# Altium PCB Ixora.PcbDoc (part 8 of 13) (continued)
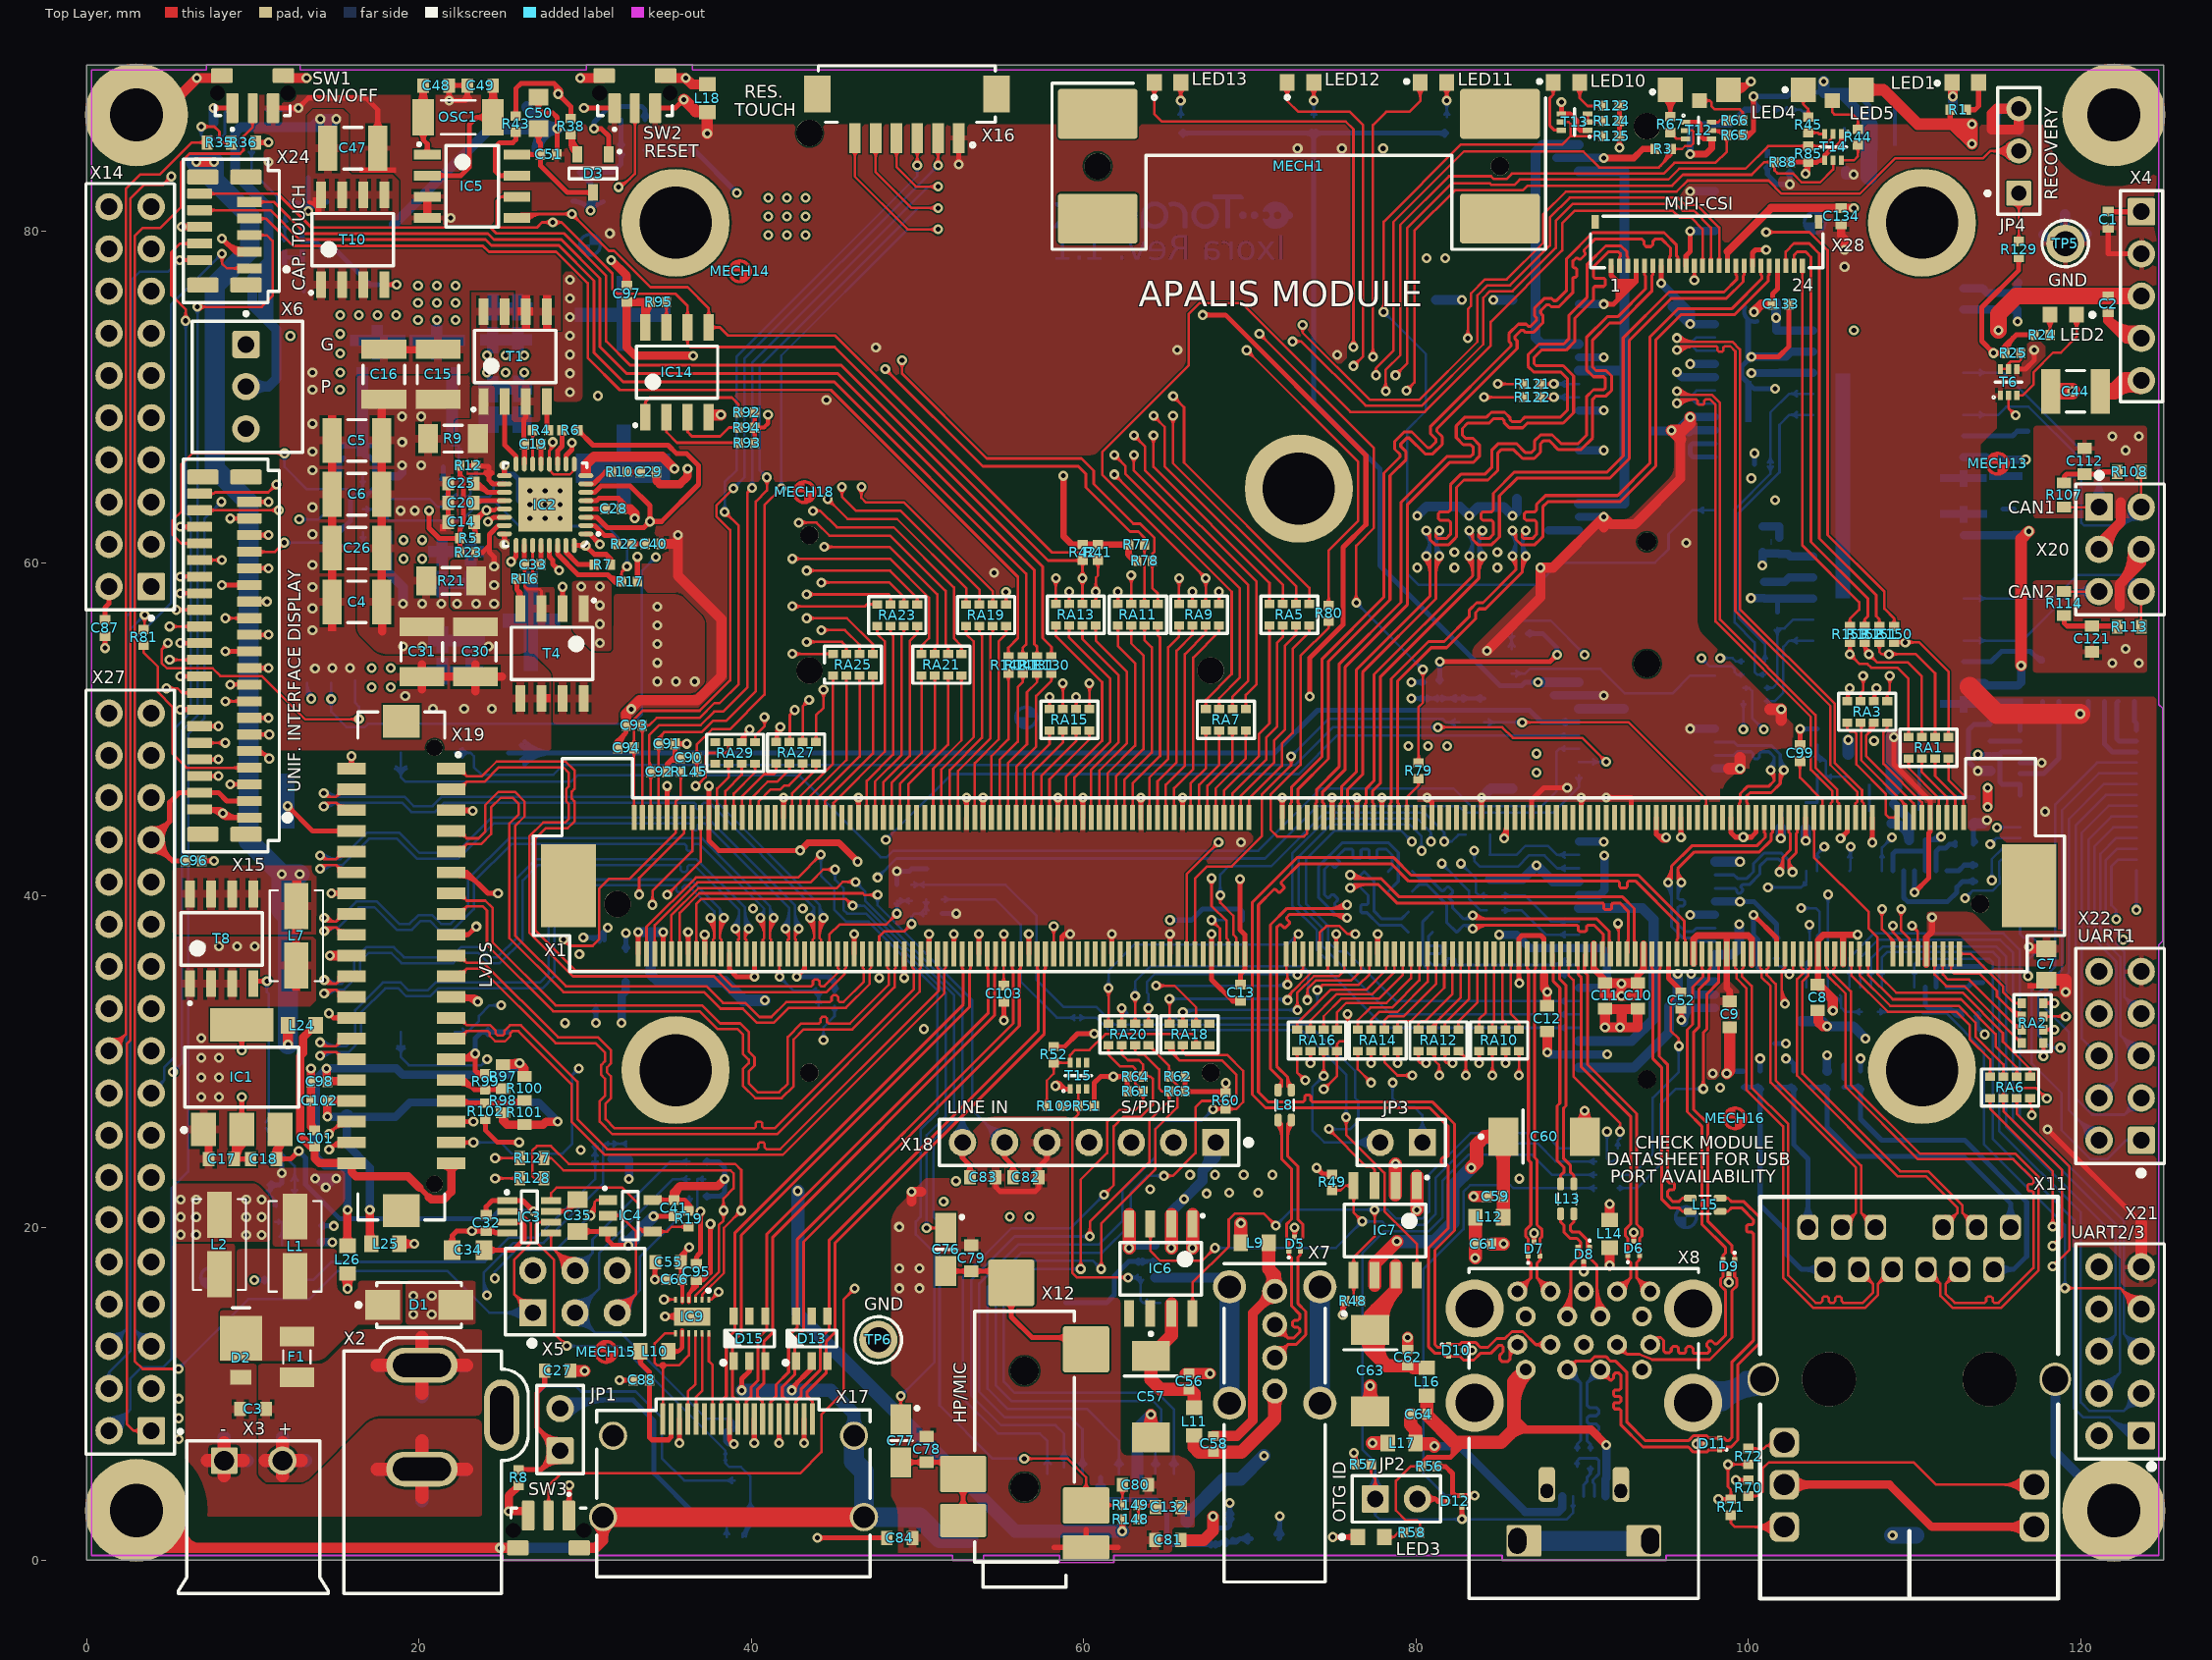
[diagram p0: Top Layer view]
## Nets (pads, with @x,y where several pads share a name; then routed paths per layer and width w, separated by ;. In a path a pad name is that pad's centre, name@x,y a point inside that pad or via, vN(x,y) a via of type N, cw(c..) or ccw(c..) an arc to the next point about the centre after c; other vN are vias at no path point) (continued)
  Bottom Layer w0.15: v1@62.942,34.138 ccw(c62.558,34.522) 63.102,34.522 ccw(c63.645,34.522) v1@63.261,34.138 ; v1@63.102,33.75 v1(63.102,33.979) 63.102,34.841 64.024,35.763 73.165,35.763 73.517,35.411 v1@73.517,33.766 ; v1@73.308,33.875 ccw(c72.801,34.381) 73.517,34.381 ; v1@73.414,33.769 ccw(c73.163,34.019) 73.517,34.019 ; 73.517,34.136 ccw(c73.887,34.136) v1@73.626,33.875
MXM3_150_M: RA18.3 X1.150 | length 18
  Top Layer w0.15: v1@65.811,32.843 cw(c65.427,32.459) 65.97,32.459 cw(c66.513,32.459) v1@66.129,32.843 ; RA18.3@65.846,32.426 ccw(c65.547,32.724) 65.97,32.724 ccw(c66.392,32.724) RA18.3@66.094,32.426 ; RA18.3@65.873,32.471 ccw(c65.849,32.558) 65.937,32.582 ; RA18.3@65.97,32.302 v1(65.97,33.002) ; 66.003,32.582 ccw(c66.091,32.558) RA18.3@66.066,32.471 ; v1@72.708,33.275 ccw(c72.324,33.659) 72.867,33.659 ccw(c73.41,33.659) v1@73.026,33.275 ; v1(72.867,33.116) 72.867,34.17 73.857,35.16 75.349,35.16 75.7,35.511 X1.150@75.7,36.5 ; X1.150@75.647,35.847 cw(c75.519,35.719) 75.7,35.719 cw(c75.881,35.719) X1.150@75.753,35.847
  Bottom Layer w0.15: v1(65.97,33.002) 66.084,33.116 v1(72.867,33.116) ; v1@66.023,32.949 cw(c66.426,32.546) 66.426,33.116 ; v1@66.129,32.843 cw(c66.788,32.184) 66.788,33.116 ; v1@72.708,32.957 ccw(c72.324,32.573) 72.324,33.116 ccw(c72.324,33.659) v1@72.708,33.275
MXM3_154_M: RA18.4 X1.154 | length 18.4
  Top Layer w0.15: v1@65.011,33.633 cw(c64.627,33.249) 65.17,33.249 cw(c65.713,33.249) v1@65.329,33.633 ; RA18.4@65.046,32.426 ccw(c64.747,32.724) 65.17,32.724 ccw(c65.592,32.724) RA18.4@65.294,32.426 ; RA18.4@65.17,32.302 v1(65.17,33.792) ; v1(72.267,33.716) 72.267,33.952 73.745,35.43 74.544,35.43 74.7,35.586 X1.154@74.7,36.5 ; v1@72.434,33.894 cw(c72.977,33.894) 72.593,34.278 ; X1.154@74.647,35.847 cw(c74.519,35.719) 74.7,35.719 cw(c74.881,35.719) X1.154@74.753,35.847
  Bottom Layer w0.15: v1(65.17,33.792) 72.191,33.792 v1(72.267,33.716) ; v1@65.329,33.633 cw(c65.713,33.249) 65.713,33.792 cw(c65.713,34.335) v1@65.329,33.951 ; 71.54,33.792 cw(c71.54,32.988) 72.108,33.557 ccw(c71.54,32.988) 71.54,33.792 ; 71.902,33.792 cw(c71.902,33.351) 72.214,33.663 ccw(c71.902,33.351) 71.902,33.792 ; 71.908,33.792 ccw(c71.908,34.075) 72.108,33.875 cw(c71.908,34.075) 71.908,33.792
MXM3_159_M: R80.1 X1.159 | length 18.2
  Top Layer w0.15: X1.159@73.397,44.047 cw(c73.269,43.919) 73.45,43.919 cw(c73.631,43.919) X1.159@73.503,44.047 ; X1.159@73.45,44.7 73.45,43.757 73.254,43.561 71.653,43.561 71.247,43.967 71.247,46.076 73.05,47.879 73.05,54.432 74.752,56.134 ; R80.1@74.639,56.341 cw(c74.507,56.134) 74.752,56.134 ; R80.1@74.752,56.518 74.752,56.134 ; R80.1@74.865,56.341 ccw(c74.998,56.134) 74.752,56.134
MXM3_160_M: RA20.1 X1.160 | length 17.7
  Top Layer w0.15: v1@63.742,33.069 cw(c63.358,32.685) 63.902,32.685 cw(c64.445,32.685) v1@64.061,33.069 ; RA20.1@63.778,32.424 ccw(c63.479,32.722) 63.902,32.722 ccw(c64.324,32.722) RA20.1@64.025,32.424 ; RA20.1@63.902,32.3 v1(63.902,33.229) ; v1(72.867,35.24) 73.2,35.573 ; v1@72.891,35.464 ccw(c72.931,35.842) 73.2,35.573 ; v1@73.091,35.264 cw(c73.469,35.304) 73.2,35.573 ; X1.160@73.147,35.847 cw(c73.019,35.719) 73.2,35.719 cw(c73.381,35.719) X1.160@73.253,35.847 ; X1.160@73.2,36.5 73.2,35.573
  Bottom Layer w0.15: v1@63.742,33.388 ccw(c63.358,33.772) 63.902,33.772 ccw(c64.445,33.772) v1@64.061,33.388 ; v1(63.902,33.229) 63.902,34.08 63.805,34.177 63.805,34.807 64.289,35.291 v1@72.918,35.291 ; 72.201,35.291 cw(c72.201,34.574) v1@72.708,35.081 ; 72.446,35.291 ccw(c72.446,35.66) v1@72.708,35.399 ; 72.563,35.291 cw(c72.563,34.936) v1@72.814,35.187
MXM3_162_M: RA20.4 X1.162 | length 20.5
  Top Layer w0.15: v1@61.343,34.283 cw(c60.958,33.899) 61.502,33.899 cw(c62.045,33.899) v1@61.661,34.283 ; RA20.4@61.378,32.424 ccw(c61.079,32.722) 61.502,32.722 ccw(c61.924,32.722) RA20.4@61.625,32.424 ; RA20.4@61.502,32.3 v1(61.502,34.436) ; X1.162@72.647,37.153 ccw(c72.519,37.281) 72.7,37.281 ccw(c72.881,37.281) X1.162@72.753,37.153 ; X1.162@72.7,36.5 72.7,37.475 ; v1@72.722,37.603 cw(c72.621,37.554) 72.7,37.475 ; v1@72.827,37.497 ccw(c72.779,37.396) 72.7,37.475 ; v1(72.925,37.7) 72.7,37.475
  Bottom Layer w0.15: v1@61.343,34.595 ccw(c60.958,34.979) 61.502,34.979 ccw(c62.045,34.979) v1@61.661,34.595 ; v1(61.502,34.436) 61.502,35.492 63.068,37.059 72.283,37.059 v1(72.925,37.7) ; v1@72.7,37.682 cw(c72.288,37.648) 72.581,37.356 cw(c72.873,37.063) v1@72.906,37.476
MXM3_164_M: RA18.2 X1.164 | length 18.4
  Top Layer w0.15: v1(64.37,34.582) 65.469,34.582 66.77,33.281 RA18.2@66.77,32.302 ; v1@64.529,34.423 cw(c64.913,34.038) 64.913,34.582 cw(c64.913,35.125) v1@64.529,34.741 ; RA18.2@66.646,32.426 ccw(c66.347,32.724) 66.77,32.724 ccw(c67.192,32.724) RA18.2@66.894,32.426 ; v1@72.108,34.799 ccw(c71.724,35.183) 72.267,35.183 ccw(c72.81,35.183) v1@72.426,34.799 ; X1.164@72.147,35.847 cw(c72.019,35.719) 72.2,35.719 cw(c72.381,35.719) X1.164@72.253,35.847 ; X1.164@72.2,36.5 72.2,35.382 72.267,35.315 v1(72.267,34.64)
  Bottom Layer w0.15: v1(64.37,34.582) 72.238,34.582 72.267,34.611 v1(72.267,34.64) ; v1@64.529,34.423 cw(c64.913,34.038) 64.913,34.582 cw(c64.913,35.125) v1@64.529,34.741 ; 71.583,34.582 ccw(c71.583,35.324) v1@72.108,34.799 ; 71.865,34.582 cw(c71.865,34.238) v1@72.108,34.481 ; 71.945,34.582 ccw(c71.945,34.962) v1@72.214,34.693
MXM3_173_M: RA5.4 X1.173 | length 14
  Top Layer w0.15: X1.173@69.897,45.404 ccw(c69.769,45.532) 69.95,45.532 ccw(c70.131,45.532) X1.173@70.003,45.404 ; X1.173@69.95,44.7 69.95,45.839 71.926,47.816 71.926,49.143 72.574,49.79 72.574,54.845 73.584,55.854 ; RA5.4@73.464,56.128 cw(c73.209,55.854) 73.584,55.854 ; RA5.4@73.584,56.256 73.584,55.854 ; RA5.4@73.703,56.128 ccw(c73.958,55.854) 73.584,55.854
MXM3_175_M: RA5.3 X1.175 | length 13.9
  Top Layer w0.15: X1.175@69.397,45.404 ccw(c69.269,45.532) 69.45,45.532 ccw(c69.631,45.532) X1.175@69.503,45.404 ; X1.175@69.45,44.7 69.45,45.995 71.463,48.008 71.463,49.335 72.111,49.983 72.111,55.037 72.784,55.71 RA5.3@72.784,56.256 ; RA5.3@72.66,56.133 cw(c72.361,55.834) 72.784,55.834 cw(c73.206,55.834) RA5.3@72.907,56.133
MXM3_177_M: RA5.2 X1.177 | length 13.8
  Top Layer w0.15: X1.177@68.897,45.404 ccw(c68.769,45.532) 68.95,45.532 ccw(c69.131,45.532) X1.177@69.003,45.404 ; X1.177@68.95,44.7 68.95,46.15 70.999,48.2 70.999,49.527 71.647,50.175 71.647,55.229 71.984,55.566 RA5.2@71.984,56.256 ; RA5.2@71.86,56.133 cw(c71.561,55.834) 71.984,55.834 cw(c72.406,55.834) RA5.2@72.107,56.133
MXM3_179_M: RA5.1 X1.179 | length 13.6
  Top Layer w0.15: X1.179@68.397,45.404 ccw(c68.269,45.532) 68.45,45.532 ccw(c68.631,45.532) X1.179@68.503,45.404 ; X1.179@68.45,44.7 68.45,46.306 70.536,48.392 70.536,49.719 71.184,50.367 RA5.1@71.184,56.256 ; RA5.1@71.06,56.133 cw(c70.761,55.834) 71.184,55.834 cw(c71.606,55.834) RA5.1@71.307,56.133
MXM3_181_M: RA7.4 X1.181 | length 6.9
  Top Layer w0.15: X1.181@67.897,45.404 ccw(c67.769,45.532) 67.95,45.532 ccw(c68.131,45.532) X1.181@68.003,45.404 ; X1.181@67.95,44.7 67.95,46.462 69.761,48.273 RA7.4@69.761,49.932 ; RA7.4@69.637,49.808 cw(c69.339,49.509) 69.761,49.509 cw(c70.183,49.509) RA7.4@69.885,49.808
MXM3_183_M: RA7.3 X1.183 | length 6.8
  Top Layer w0.15: X1.183@67.397,45.404 ccw(c67.269,45.532) 67.45,45.532 ccw(c67.631,45.532) X1.183@67.503,45.404 ; X1.183@67.45,44.7 67.45,46.617 68.961,48.128 RA7.3@68.961,49.932 ; RA7.3@68.837,49.808 cw(c68.539,49.509) 68.961,49.509 cw(c69.383,49.509) RA7.3@69.085,49.808
MXM3_185_M: RA7.2 X1.185 | length 6.7
  Top Layer w0.15: X1.185@66.897,45.404 ccw(c66.769,45.532) 66.95,45.532 ccw(c67.131,45.532) X1.185@67.003,45.404 ; X1.185@66.95,44.7 66.95,46.677 68.161,47.888 RA7.2@68.161,49.932 ; RA7.2@68.037,49.808 cw(c67.739,49.509) 68.161,49.509 cw(c68.583,49.509) RA7.2@68.285,49.808
MXM3_187_M: RA7.1 X1.187 | length 6.6
  Top Layer w0.15: X1.187@66.397,45.404 ccw(c66.269,45.532) 66.45,45.532 ccw(c66.631,45.532) X1.187@66.503,45.404 ; X1.187@66.45,44.7 66.45,46.777 67.361,47.688 RA7.1@67.361,49.932 ; RA7.1@67.237,49.808 cw(c66.939,49.509) 67.361,49.509 cw(c67.783,49.509) RA7.1@67.485,49.808
MXM3_191_M: RA9.4 X1.191 | length 13.7
  Top Layer w0.15: X1.191@65.397,45.404 ccw(c65.269,45.532) 65.45,45.532 ccw(c65.631,45.532) X1.191@65.503,45.404 ; X1.191@65.45,44.7 65.45,46.476 66.593,47.62 66.593,54.325 68.148,55.88 ; RA9.4@68.035,56.123 cw(c67.83,55.88) 68.148,55.88 ; RA9.4@68.148,56.409 RA9.4@68.148,56.256 68.148,55.88 ; RA9.4@68.261,56.123 ccw(c68.466,55.88) 68.148,55.88
MXM3_193_M: RA9.3 X1.193 | length 13.7
  Top Layer w0.15: X1.193@64.897,45.404 ccw(c64.769,45.532) 64.95,45.532 ccw(c65.131,45.532) X1.193@65.003,45.404 ; X1.193@64.95,44.7 64.95,46.683 66.093,47.827 66.093,54.532 67.348,55.787 RA9.3@67.348,56.256 RA9.3@67.348,56.409 ; RA9.3@67.224,56.133 cw(c66.926,55.834) 67.348,55.834 cw(c67.77,55.834) RA9.3@67.472,56.133
MXM3_195_M: RA9.2 X1.195 | length 13.5
  Top Layer w0.15: X1.195@64.397,45.404 ccw(c64.269,45.532) 64.45,45.532 ccw(c64.631,45.532) X1.195@64.503,45.404 ; X1.195@64.45,44.7 64.45,46.89 65.593,48.034 65.593,54.739 66.548,55.694 RA9.2@66.548,56.256 RA9.2@66.548,56.409 ; RA9.2@66.424,56.133 cw(c66.126,55.834) 66.548,55.834 cw(c66.97,55.834) RA9.2@66.672,56.133
MXM3_197_M: RA9.1 X1.197 | length 13.4
  Top Layer w0.15: X1.197@63.897,45.404 ccw(c63.769,45.532) 63.95,45.532 ccw(c64.131,45.532) X1.197@64.003,45.404 ; X1.197@63.95,44.7 63.95,47.098 65.093,48.241 65.093,54.946 65.748,55.601 RA9.1@65.748,56.256 RA9.1@65.748,56.409 ; RA9.1@65.624,56.133 cw(c65.326,55.834) 65.748,55.834 cw(c66.17,55.834) RA9.1@65.872,56.133
MXM3_201_M: RA11.4 X1.201 | length 13.2
  Top Layer w0.15: X1.201@62.897,45.404 ccw(c62.769,45.532) 62.95,45.532 ccw(c63.131,45.532) X1.201@63.003,45.404 ; X1.201@62.95,44.7 62.95,46.764 64.598,48.412 64.598,55.544 64.465,55.677 RA11.4@64.465,56.256 ; RA11.4@64.341,56.133 cw(c64.043,55.834) 64.465,55.834 cw(c64.887,55.834) RA11.4@64.589,56.133
MXM3_203_M: RA11.3 X1.203 | length 13.4
  Top Layer w0.15: X1.203@62.397,45.404 ccw(c62.269,45.532) 62.45,45.532 ccw(c62.631,45.532) X1.203@62.503,45.404 ; X1.203@62.45,44.7 62.45,46.964 64.103,48.617 64.103,54.947 63.665,55.385 RA11.3@63.665,56.256 ; RA11.3@63.541,56.133 cw(c63.243,55.834) 63.665,55.834 cw(c64.087,55.834) RA11.3@63.789,56.133
MXM3_205_M: RA11.2 X1.205 | length 13.5
  Top Layer w0.15: X1.205@61.897,45.404 ccw(c61.769,45.532) 61.95,45.532 ccw(c62.131,45.532) X1.205@62.003,45.404 ; X1.205@61.95,44.7 61.95,47.171 63.603,48.824 63.603,54.456 62.865,55.194 RA11.2@62.865,56.256 ; RA11.2@62.741,56.133 cw(c62.443,55.834) 62.865,55.834 cw(c63.287,55.834) RA11.2@62.989,56.133
MXM3_207_M: RA11.1 X1.207 | length 13.6
  Top Layer w0.15: X1.207@61.397,45.404 ccw(c61.269,45.532) 61.45,45.532 ccw(c61.631,45.532) X1.207@61.503,45.404 ; X1.207@61.45,44.7 61.45,47.378 63.103,49.031 63.103,53.991 62.065,55.029 RA11.1@62.065,56.256 ; RA11.1@61.941,56.133 cw(c61.643,55.834) 62.065,55.834 cw(c62.487,55.834) RA11.1@62.189,56.133
MXM3_209_M: RA13.4 X1.209 | length 14
  Top Layer w0.15: RA13.4@60.607,56.133 cw(c60.309,55.834) 60.731,55.834 cw(c61.154,55.834) RA13.4@60.855,56.133 ; RA13.4@60.731,56.256 60.731,55.347 62.608,53.47 62.608,49.19 60.95,47.532 X1.209@60.95,44.7 ; X1.209@60.897,45.404 ccw(c60.769,45.532) 60.95,45.532 ccw(c61.131,45.532) X1.209@61.003,45.404
MXM3_211_M: RA13.3 X1.211 | length 14.1
  Top Layer w0.15: RA13.3@59.807,56.133 cw(c59.509,55.834) 59.931,55.834 cw(c60.354,55.834) RA13.3@60.055,56.133 ; RA13.3@59.931,56.256 59.931,55.446 62.113,53.265 62.113,49.239 60.45,47.576 X1.211@60.45,44.7 ; X1.211@60.397,45.404 ccw(c60.269,45.532) 60.45,45.532 ccw(c60.631,45.532) X1.211@60.503,45.404
MXM3_215_M: RA13.2 X1.215 | length 14.4
  Top Layer w0.15: RA13.2@59.007,56.133 cw(c58.709,55.834) 59.131,55.834 cw(c59.554,55.834) RA13.2@59.255,56.133 ; RA13.2@59.131,56.256 59.131,55.539 61.613,53.058 61.613,49.283 59.45,47.12 X1.215@59.45,44.7 ; X1.215@59.397,45.404 ccw(c59.269,45.532) 59.45,45.532 ccw(c59.631,45.532) X1.215@59.503,45.404
MXM3_217_M: RA13.1 X1.217 | length 14.6
  Top Layer w0.15: RA13.1@58.207,56.133 cw(c57.909,55.834) 58.331,55.834 cw(c58.754,55.834) RA13.1@58.455,56.133 ; RA13.1@58.331,56.256 58.331,55.632 61.113,52.851 61.113,49.327 58.95,47.164 X1.217@58.95,44.7 ; X1.217@58.897,45.404 ccw(c58.769,45.532) 58.95,45.532 ccw(c59.131,45.532) X1.217@59.003,45.404
MXM3_221_M: RA15.4 X1.221 | length 7.2
  Top Layer w0.15: X1.221@57.897,45.404 ccw(c57.769,45.532) 57.95,45.532 ccw(c58.131,45.532) X1.221@58.003,45.404 ; X1.221@57.95,44.7 57.95,47.003 60.35,49.403 RA15.4@60.35,49.932 ; RA15.4@60.227,49.808 cw(c59.928,49.509) 60.35,49.509 cw(c60.773,49.509) RA15.4@60.474,49.808
MXM3_223_M: RA15.3 X1.223 | length 7
  Top Layer w0.15: X1.223@57.397,45.404 ccw(c57.269,45.532) 57.45,45.532 ccw(c57.631,45.532) X1.223@57.503,45.404 ; X1.223@57.45,44.7 57.45,47.21 59.55,49.31 RA15.3@59.55,49.932 ; RA15.3@59.427,49.808 cw(c59.128,49.509) 59.55,49.509 cw(c59.973,49.509) RA15.3@59.674,49.808
MXM3_225_M: RA15.2 X1.225 | length 7
  Top Layer w0.15: X1.225@56.897,45.404 ccw(c56.769,45.532) 56.95,45.532 ccw(c57.131,45.532) X1.225@57.003,45.404 ; X1.225@56.95,44.7 56.95,47.417 58.75,49.217 RA15.2@58.75,49.932 RA15.2@58.75,50.033 ; RA15.2@58.627,49.808 cw(c58.328,49.509) 58.75,49.509 cw(c59.173,49.509) RA15.2@58.874,49.808
MXM3_227_M: RA15.1 X1.227 | length 6.9
  Top Layer w0.15: X1.227@56.397,45.404 ccw(c56.269,45.532) 56.45,45.532 ccw(c56.631,45.532) X1.227@56.503,45.404 ; X1.227@56.45,44.7 56.45,47.624 57.95,49.124 RA15.1@57.95,49.932 RA15.1@57.95,50.033 ; RA15.1@57.827,49.808 cw(c57.528,49.509) 57.95,49.509 cw(c58.373,49.509) RA15.1@58.074,49.808
MXM3_229_M: R130.2 X1.229 | length 10.5
  Top Layer w0.15: X1.229@55.897,45.404 ccw(c55.769,45.532) 55.95,45.532 ccw(c56.131,45.532) X1.229@56.003,45.404 ; X1.229@55.95,44.7 55.95,47.771 57.15,48.971 57.15,52.019 58.064,52.934 ; R130.2@57.927,53.235 cw(c57.666,52.934) 58.064,52.934 ; R130.2@58.064,53.393 58.064,52.934 ; R130.2@58.202,53.235 ccw(c58.463,52.934) 58.064,52.934
MXM3_231_M: R131.2 X1.231 | length 10.5
  Top Layer w0.15: X1.231@55.397,45.404 ccw(c55.269,45.532) 55.45,45.532 ccw(c55.631,45.532) X1.231@55.503,45.404 ; X1.231@55.45,44.7 55.45,47.978 56.591,49.12 56.591,52.248 57.198,52.854 R131.2@57.198,53.393 ; R131.2@57.049,53.245 cw(c56.691,52.886) 57.198,52.886 cw(c57.705,52.886) R131.2@57.346,53.245
MXM3_233_M: R141.2 X1.233 | length 10.3
  Top Layer w0.15: X1.233@54.897,45.404 ccw(c54.769,45.532) 54.95,45.532 ccw(c55.131,45.532) X1.233@55.003,45.404 ; X1.233@54.95,44.7 54.95,48.185 56.032,49.268 56.032,52.55 56.337,52.854 R141.2@56.337,53.393 ; R141.2@56.189,53.245 cw(c55.83,52.886) 56.337,52.886 cw(c56.844,52.886) R141.2@56.486,53.245
MXM3_235_M: R142.2 X1.235 | length 10.2
  Top Layer w0.15: X1.235@54.397,45.404 ccw(c54.269,45.532) 54.45,45.532 ccw(c54.631,45.532) X1.235@54.503,45.404 ; X1.235@54.45,44.7 54.45,48.393 55.474,49.416 R142.2@55.474,53.393 ; R142.2@55.325,53.245 cw(c54.967,52.886) 55.474,52.886 cw(c55.981,52.886) R142.2@55.622,53.245
MXM3_239_M: RA19.4 X1.239 | length 13.3
  Top Layer w0.15: X1.239@53.397,45.404 ccw(c53.269,45.532) 53.45,45.532 ccw(c53.631,45.532) X1.239@53.503,45.404 ; X1.239@53.45,44.7 53.45,47.97 54.882,49.402 54.882,55.296 55.334,55.748 RA19.4@55.334,56.236 ; RA19.4@55.211,56.112 cw(c54.912,55.813) 55.334,55.813 cw(c55.757,55.813) RA19.4@55.458,56.112
MXM3_243_M: RA19.3 X1.243 | length 13.3
  Top Layer w0.15: X1.243@52.397,45.404 ccw(c52.269,45.532) 52.45,45.532 ccw(c52.631,45.532) X1.243@52.503,45.404 ; X1.243@52.45,44.7 52.45,47.514 54.387,49.451 54.387,55.669 54.534,55.816 ; RA19.3@54.411,56.111 cw(c54.12,55.816) 54.534,55.816 ; RA19.3@54.534,56.236 54.534,55.816 ; RA19.3@54.658,56.111 ccw(c54.949,55.816) 54.534,55.816
MXM3_245_M: RA19.2 X1.245 | length 13.3
  Top Layer w0.15: X1.245@51.897,45.404 ccw(c51.769,45.532) 51.95,45.532 ccw(c52.131,45.532) X1.245@52.003,45.404 ; X1.245@51.95,44.7 51.95,47.558 53.887,49.495 53.887,55.651 53.734,55.804 RA19.2@53.734,56.236 ; RA19.2@53.611,56.112 cw(c53.312,55.813) 53.734,55.813 cw(c54.157,55.813) RA19.2@53.858,56.112
MXM3_247_M: RA19.1 X1.247 | length 13.5
  Top Layer w0.15: X1.247@51.397,45.404 ccw(c51.269,45.532) 51.45,45.532 ccw(c51.631,45.532) X1.247@51.503,45.404 ; X1.247@51.45,44.7 51.45,47.602 53.387,49.539 53.387,55.296 52.934,55.748 RA19.1@52.934,56.236 ; RA19.1@52.811,56.112 cw(c52.512,55.813) 52.934,55.813 cw(c53.357,55.813) RA19.1@53.058,56.112
MXM3_249_M: RA21.4 X1.249 | length 10.2
  Top Layer w0.15: X1.249@50.897,45.404 ccw(c50.769,45.532) 50.95,45.532 ccw(c51.131,45.532) X1.249@51.003,45.404 ; X1.249@50.95,44.7 50.95,47.646 52.647,49.343 RA21.4@52.647,53.255 ; RA21.4@52.523,53.131 cw(c52.225,52.833) 52.647,52.833 cw(c53.07,52.833) RA21.4@52.771,53.131
MXM3_255_M: RA21.3 X1.255 | length 10.5
  Top Layer w0.15: X1.255@49.397,45.404 ccw(c49.269,45.532) 49.45,45.532 ccw(c49.631,45.532) X1.255@49.503,45.404 ; X1.255@49.45,44.7 49.45,46.69 51.847,49.087 RA21.3@51.847,53.255 ; RA21.3@51.723,53.131 cw(c51.425,52.833) 51.847,52.833 cw(c52.27,52.833) RA21.3@51.971,53.131
MXM3_257_M: RA21.2 X1.257 | length 10.4
  Top Layer w0.15: X1.257@48.897,45.404 ccw(c48.769,45.532) 48.95,45.532 ccw(c49.131,45.532) X1.257@49.003,45.404 ; X1.257@48.95,44.7 48.95,46.734 51.047,48.831 RA21.2@51.047,53.255 ; RA21.2@50.923,53.131 cw(c50.625,52.833) 51.047,52.833 cw(c51.47,52.833) RA21.2@51.171,53.131
MXM3_259_M: RA21.1 X1.259 | length 10.2
  Top Layer w0.15: X1.259@48.397,45.404 ccw(c48.269,45.532) 48.45,45.532 ccw(c48.631,45.532) X1.259@48.503,45.404 ; X1.259@48.45,44.7 48.45,46.778 50.247,48.575 RA21.1@50.247,53.255 ; RA21.1@50.123,53.131 cw(c49.825,52.833) 50.247,52.833 cw(c50.67,52.833) RA21.1@50.371,53.131
MXM3_261_M: RA23.4 X1.261 | length 13.3
  Top Layer w0.15: X1.261@47.897,45.404 ccw(c47.769,45.532) 47.95,45.532 ccw(c48.131,45.532) X1.261@48.003,45.404 ; X1.261@47.95,44.7 47.95,46.822 49.539,48.411 49.539,55.331 49.987,55.778 RA23.4@49.987,56.236 ; RA23.4@49.863,56.112 cw(c49.565,55.813) 49.987,55.813 cw(c50.409,55.813) RA23.4@50.111,56.112
MXM3_262_M: C54.2 R46.1 X1.262 | length 10.2
  Top Layer w0.15: X1.262@47.647,37.178 ccw(c47.519,37.306) 47.7,37.306 ccw(c47.881,37.306) X1.262@47.753,37.178 ; X1.262@47.7,36.5 47.7,37.545 48.005,37.85 49.2,37.85 v1(49.65,38.3) ; v1@49.425,38.3 cw(c48.882,38.3) 49.266,37.916 cw(c49.65,37.532) v1@49.65,38.075
  Bottom Layer w0.15: v1@49.521,38.484 ccw(c49.346,38.733) 49.65,38.733 ; v1(49.65,38.3) 49.65,38.733 ; v1@49.779,38.484 cw(c49.954,38.733) 49.65,38.733 ; C54.2@50.358,38.768 ccw(c49.991,38.401) 49.991,38.92 ccw(c49.991,39.439) C54.2@50.358,39.072 ; C54.2@50.358,39.112 ccw(c49.967,39.503) R46.1@50.52,39.503 ; R46.1@50.371,39.602 cw(c50.013,39.243) 50.52,39.243 cw(c51.027,39.243) R46.1@50.668,39.602 ; R46.1@50.391,39.585 cw(c50.243,39.396) 50.475,39.334 ; 50.49,39.393 cw(c50.769,39.318) R46.1@50.625,39.568 ; 50.52,39.455 ccw(c51.005,39.455) C54.2@50.662,39.112 ; R46.1@50.52,39.775 50.52,38.93 C54.2@50.51,38.92 49.837,38.92 49.65,38.733
MXM3_263_M: RA23.3 X1.263 | length 13.2
  Top Layer w0.15: X1.263@47.397,45.404 ccw(c47.269,45.532) 47.45,45.532 ccw(c47.631,45.532) X1.263@47.503,45.404 ; X1.263@47.45,44.7 47.45,46.866 49.039,48.455 49.039,55.669 49.187,55.816 ; RA23.3@49.064,56.111 cw(c48.772,55.816) 49.187,55.816 ; RA23.3@49.187,56.236 49.187,55.816 ; RA23.3@49.31,56.111 ccw(c49.602,55.816) 49.187,55.816
MXM3_265_M: RA23.2 X1.265 | length 13.2
  Top Layer w0.15: X1.265@46.897,45.404 ccw(c46.769,45.532) 46.95,45.532 ccw(c47.131,45.532) X1.265@47.003,45.404 ; X1.265@46.95,44.7 46.95,46.91 48.539,48.499 48.539,55.651 48.387,55.804 RA23.2@48.387,56.236 ; RA23.2@48.263,56.112 cw(c47.965,55.813) 48.387,55.813 cw(c48.809,55.813) RA23.2@48.511,56.112
MXM3_273_M: RA23.1 X1.273 | length 14
  Top Layer w0.15: X1.273@44.897,45.404 ccw(c44.769,45.532) 44.95,45.532 ccw(c45.131,45.532) X1.273@45.003,45.404 ; X1.273@44.95,44.7 44.95,45.585 48.039,48.674 48.039,55.296 47.587,55.748 RA23.1@47.587,56.236 ; RA23.1@47.463,56.112 cw(c47.165,55.813) 47.587,55.813 cw(c48.009,55.813) RA23.1@47.711,56.112
MXM3_274_M: C53.2 R47.1 X1.274 | length 12.4
  Top Layer w0.15: X1.274@44.647,37.178 ccw(c44.519,37.306) 44.7,37.306 ccw(c44.881,37.306) X1.274@44.753,37.178 ; X1.274@44.7,36.5 44.7,37.65 45.33,38.28 48.13,38.28 v1(48.77,38.92) ; v1@48.545,38.92 cw(c48.002,38.92) 48.386,38.536 cw(c48.77,38.152) v1@48.77,38.695
  Bottom Layer w0.15: v1@48.611,39.079 ccw(c48.227,39.463) 48.77,39.463 ccw(c49.313,39.463) v1@48.929,39.079 ; C53.2@48.618,39.533 cw(c48.251,39.166) 48.77,39.166 cw(c49.289,39.166) C53.2@48.922,39.533 ; C53.2@48.669,39.479 cw(c48.64,39.379) 48.74,39.352 ; C53.2@48.703,39.499 cw(c48.607,39.333) 48.792,39.383 ; 48.748,39.383 cw(c48.933,39.333) C53.2@48.838,39.499 ; v1(48.77,38.92) C53.2@48.77,39.685 49.64,39.685 R47.1@49.65,39.695 ; 48.8,39.352 cw(c48.9,39.379) C53.2@48.871,39.479 ; C53.2@48.962,39.533 cw(c49.329,39.166) 49.329,39.685 cw(c49.329,40.204) C53.2@48.962,39.837 ; C53.2@49.094,39.685 ccw(c49.094,40.226) R47.1@49.477,39.844 ; 49.142,39.685 cw(c49.142,39.212) R47.1@49.477,39.547
MXM3_275_M: RA25.4 X1.275 | length 10.7
  Top Layer w0.15: X1.275@44.397,45.404 ccw(c44.269,45.532) 44.45,45.532 ccw(c44.631,45.532) X1.275@44.503,45.404 ; X1.275@44.45,44.7 44.45,45.684 47.323,48.557 RA25.4@47.323,53.255 ; RA25.4@47.199,53.131 cw(c46.901,52.833) 47.323,52.833 cw(c47.745,52.833) RA25.4@47.447,53.131
MXM3_277_M: RA25.3 X1.277 | length 10.6
  Top Layer w0.15: X1.277@43.897,45.404 ccw(c43.769,45.532) 43.95,45.532 ccw(c44.131,45.532) X1.277@44.003,45.404 ; X1.277@43.95,44.7 43.95,45.804 46.523,48.377 RA25.3@46.523,53.255 ; RA25.3@46.399,53.131 cw(c46.101,52.833) 46.523,52.833 cw(c46.945,52.833) RA25.3@46.647,53.131
MXM3_279_M: RA25.2 X1.279 | length 10.4
  Top Layer w0.15: X1.279@43.397,45.404 ccw(c43.269,45.532) 43.45,45.532 ccw(c43.631,45.532) X1.279@43.503,45.404 ; X1.279@43.45,44.7 43.45,45.888 45.723,48.161 RA25.2@45.723,53.255 ; RA25.2@45.599,53.131 cw(c45.301,52.833) 45.723,52.833 cw(c46.145,52.833) RA25.2@45.847,53.131
MXM3_281_M: RA25.1 X1.281 | length 10.3
  Top Layer w0.15: X1.281@42.897,45.404 ccw(c42.769,45.532) 42.95,45.532 ccw(c43.131,45.532) X1.281@43.003,45.404 ; X1.281@42.95,44.7 42.95,45.977 44.923,47.95 RA25.1@44.923,53.255 ; RA25.1@44.799,53.131 cw(c44.501,52.833) 44.923,52.833 cw(c45.345,52.833) RA25.1@45.047,53.131
MXM3_283_M: RA27.4 X1.283 | length 4.7
  Top Layer w0.15: X1.283@42.397,45.404 ccw(c42.269,45.532) 42.45,45.532 ccw(c42.631,45.532) X1.283@42.503,45.404 ; X1.283@42.45,44.7 42.45,46.133 43.9,47.583 ; RA27.4@43.79,47.814 cw(c43.603,47.583) 43.9,47.583 ; RA27.4@43.9,47.95 43.9,47.583 ; RA27.4@44.01,47.814 ccw(c44.197,47.583) 43.9,47.583
MXM3_286_M: C89.2 R82.1 X1.286 | length 9.7
  Top Layer w0.15: v1@41.541,35.281 ccw(c41.157,35.665) 41.7,35.665 ccw(c42.243,35.665) v1@41.859,35.281 ; X1.286@41.647,35.822 cw(c41.519,35.694) 41.7,35.694 cw(c41.881,35.694) X1.286@41.753,35.822 ; v1@41.7,35.3 X1.286@41.7,36.5
  Bottom Layer w0.15: v1@41.7,34.897 cw(c41.7,34.354) 42.084,34.738 cw(c42.468,35.122) v1@41.925,35.122 ; v1(41.7,35.122) 42.556,34.267 C89.2@44.043,34.267 ; C89.2@43.891,34.075 cw(c43.5,33.683) R82.1@44.053,33.683 ; C89.2@43.891,34.115 ccw(c43.524,33.747) 43.524,34.267 ccw(c43.524,34.786) C89.2@43.891,34.419 ; R82.1@43.905,33.55 ccw(c43.546,33.909) 44.053,33.909 ccw(c44.56,33.909) R82.1@44.202,33.55 ; R82.1@43.922,33.566 ccw(c43.759,33.77) 44.012,33.838 ; 44.038,33.74 ccw(c44.287,33.807) R82.1@44.158,33.583 ; R82.1@44.053,33.377 C89.2@44.053,34.257 ; 44.053,33.732 cw(c44.538,33.732) C89.2@44.195,34.075
MXM3_291_M: RA27.3 X1.291 | length 5.8
  Top Layer w0.15: X1.291@40.397,45.404 ccw(c40.269,45.532) 40.45,45.532 ccw(c40.631,45.532) X1.291@40.503,45.404 ; X1.291@40.45,44.7 40.45,45.669 41.173,46.392 41.757,46.392 41.999,46.634 42.266,46.634 43.1,47.469 RA27.3@43.1,47.95 ; RA27.3@42.976,47.826 cw(c42.678,47.528) 43.1,47.528 cw(c43.522,47.528) RA27.3@43.224,47.826
MXM3_293_M: RA27.2 X1.293 | length 5.4
  Top Layer w0.15: X1.293@39.897,45.404 ccw(c39.769,45.532) 39.95,45.532 ccw(c40.131,45.532) X1.293@40.003,45.404 ; X1.293@39.95,44.7 39.95,45.826 40.981,46.856 41.564,46.856 42.3,47.592 ; RA27.2@42.192,47.812 cw(c42.021,47.592) 42.3,47.592 ; RA27.2@42.3,47.95 42.3,47.592 ; RA27.2@42.408,47.812 ccw(c42.579,47.592) 42.3,47.592
MXM3_295_M: RA27.1 X1.295 | length 5.4
  Top Layer w0.15: X1.295@39.397,45.404 ccw(c39.269,45.532) 39.45,45.532 ccw(c39.631,45.532) X1.295@39.503,45.404 ; X1.295@39.45,44.7 39.45,45.982 40.788,47.32 41.372,47.32 41.5,47.448 RA27.1@41.5,47.95 ; RA27.1@41.376,47.826 cw(c41.078,47.528) 41.5,47.528 cw(c41.923,47.528) RA27.1@41.624,47.826
MXM3_297_M: RA29.4 X1.297 | length 4.7
  Top Layer w0.15: X1.297@38.897,45.404 ccw(c38.769,45.532) 38.95,45.532 ccw(c39.131,45.532) X1.297@39.003,45.404 ; X1.297@38.95,44.7 38.95,46.138 40.235,47.423 RA29.4@40.235,47.94 ; RA29.4@40.111,47.816 cw(c39.813,47.518) 40.235,47.518 cw(c40.658,47.518) RA29.4@40.359,47.816
MXM3_299_M: RA29.3 X1.299 | length 4.6
  Top Layer w0.15: X1.299@38.397,45.404 ccw(c38.269,45.532) 38.45,45.532 ccw(c38.631,45.532) X1.299@38.503,45.404 ; X1.299@38.45,44.7 38.45,46.295 39.435,47.28 RA29.3@39.435,47.94 ; RA29.3@39.311,47.816 cw(c39.013,47.518) 39.435,47.518 cw(c39.858,47.518) RA29.3@39.559,47.816
MXM3_301_M: RA29.2 X1.301 | length 4.5
  Top Layer w0.15: X1.301@37.897,45.404 ccw(c37.769,45.532) 37.95,45.532 ccw(c38.131,45.532) X1.301@38.003,45.404 ; X1.301@37.95,44.7 37.95,46.434 38.635,47.119 RA29.2@38.635,47.94 ; RA29.2@38.511,47.816 cw(c38.213,47.518) 38.635,47.518 cw(c39.058,47.518) RA29.2@38.759,47.816
NetC19_1: C19.1 IC2.15 L4.1 T1.3 T1.7 T1.8 | length 4.8
  Top Layer w0.3: C19.1@26.261,67.036 cw(c26.022,66.797) 26.36,66.797 cw(c26.698,66.797) C19.1@26.459,67.036 ; 26.315,67.662 ccw(c26.807,67.662) C19.1@26.459,67.314 ; IC2.15@26.35,65.975 26.36,65.985 C19.1@26.36,67.175 26.315,67.22 26.315,68.657 26.44,68.782 T1.3@26.44,69.75 T1.3@26.465,69.775
  other v1: 29.1,70.307 29.1,71.435 29.1,72.563 29.1,73.691 29.1,74.819 29.1,75.948 29.1,77.076
NetC19_2: C19.2 IC2.13 | length 1.2
  Top Layer w0.3: C19.2@27.34,67.175 27.34,66.543 27.352,66.53 27.352,65.978 IC2.13@27.35,65.975
NetC29_2: C29.2 R10.1 | length 0.8
  Top Layer w0.3: R10.1@32.53,65.5 C29.2@33.31,65.5
NetC33_1: C33.1 IC2.26 L5.1 T4.3 T4.7 T4.8 | length 6.2
  Top Layer w0.17: C33.1@26.218,59.74 cw(c25.868,59.39) 26.363,59.39 cw(c26.857,59.39) C33.1@26.507,59.74 ; C33.1@26.363,59.925 26.363,58.626 26.543,58.445 27.28,58.445 27.38,58.345 T4.3@27.38,57.279 T4.3@27.38,57.05
  Top Layer w0.3: C33.1@26.264,60.064 ccw(c26.055,60.273) 26.35,60.273 ; C33.1@26.35,59.937 IC2.26@26.35,61.075 ; 26.35,60.333 ccw(c26.731,60.333) C33.1@26.462,60.064
  other v1: 34.35,52.887 35.478,52.887 36.606,52.887 34.35,54.016 34.35,55.144 34.35,56.272 34.35,57.4
NetC33_2: C33.2 IC2.28 | length 1.7
  Top Layer w0.15: C33.2@27.342,59.925 C33.2@27.35,59.933
  Top Layer w0.3: C33.2@27.243,60.064 ccw(c26.986,60.321) 27.35,60.321 ; C33.2@27.35,59.933 IC2.28@27.35,61.075 ; 27.35,60.285 ccw(c27.662,60.285) C33.2@27.441,60.064
NetC34_2: C34.2 IC3.3 | length 5.9
  Top Layer w0.3: C34.2@23.912,18.669 25.679,18.669 26.34,19.329 26.34,20.142 26.137,20.345 IC3.3@25.335,20.345 ; C34.2@24.159,18.422 cw(c24.757,17.824) 24.757,18.669 cw(c24.757,19.514) C34.2@24.159,18.916
NetC35_2: C35.2 IC3.7 | length 3
  Top Layer w0.3: IC3.7@27.955,20.995 28.894,20.995 29.55,21.651 C35.2@29.55,21.7 ; 28.894,20.995 ccw(c28.364,21.525) C35.2@29.104,21.644 ; C35.2@29.108,21.208 cw(c29.45,20.866) C35.2@29.45,21.35
NetC40_2: C40.2 R22.1 | length 1.8
  Top Layer w0.3: R22.1@32.835,61.167 C40.2@33.615,61.167 ; R22.1@32.93,61.071 cw(c33.161,60.841) 33.161,61.167 cw(c33.161,61.493) R22.1@32.93,61.262 ; C40.2@33.516,61.068 ccw(c33.277,60.829) 33.277,61.167 ccw(c33.277,61.505) C40.2@33.516,61.266
NetC48_1: C48.1 IC5.1 OSC1.2 | length 10.2
  Top Layer w0.3: OSC1.2@19.913,87.65 ccw(c19.059,88.503) 20.266,88.503 ccw(c21.474,88.503) OSC1.2@20.62,87.65 ; OSC1.2@19.994,85.977 cw(c19.666,85.474) 20.266,85.474 ; C48.1@20.093,88.585 cw(c19.536,88.263) 20.157,88.097 ; C48.1@20.125,88.544 cw(c19.784,88.202) 20.266,88.202 cw(c20.749,88.202) C48.1@20.408,88.544 ; C48.1@20.166,88.512 cw(c20.005,88.233) 20.316,88.316 ; 20.216,88.316 cw(c20.527,88.233) C48.1@20.366,88.512 ; C48.1@20.266,88.76 OSC1.2@20.266,86.846 20.266,85.474 ; 20.375,88.097 cw(c20.997,88.263) C48.1@20.44,88.585 ; IC5.1@20.402,84.79 ccw(c20.146,85.046) 20.508,85.046 ccw(c20.87,85.046) IC5.1@20.614,84.79 ; IC5.1@20.508,84.607 20.508,85.232 20.266,85.474 ; OSC1.2@20.539,85.977 ccw(c20.867,85.474) 20.266,85.474